# Altium PCB guvenlik_sistemi.PcbDoc (part 2 of 2)
Units mm, origin at the board's own origin, x right, y up, seen from the top; angles counter-clockwise.
Board outline 74.17 x 99.57 mm, 4 copper layers (Top Layer, GROUND, POWER, Bottom Layer), stack 1.369 mm thick; 125 components, 86 nets, 445 pads, 83 vias.
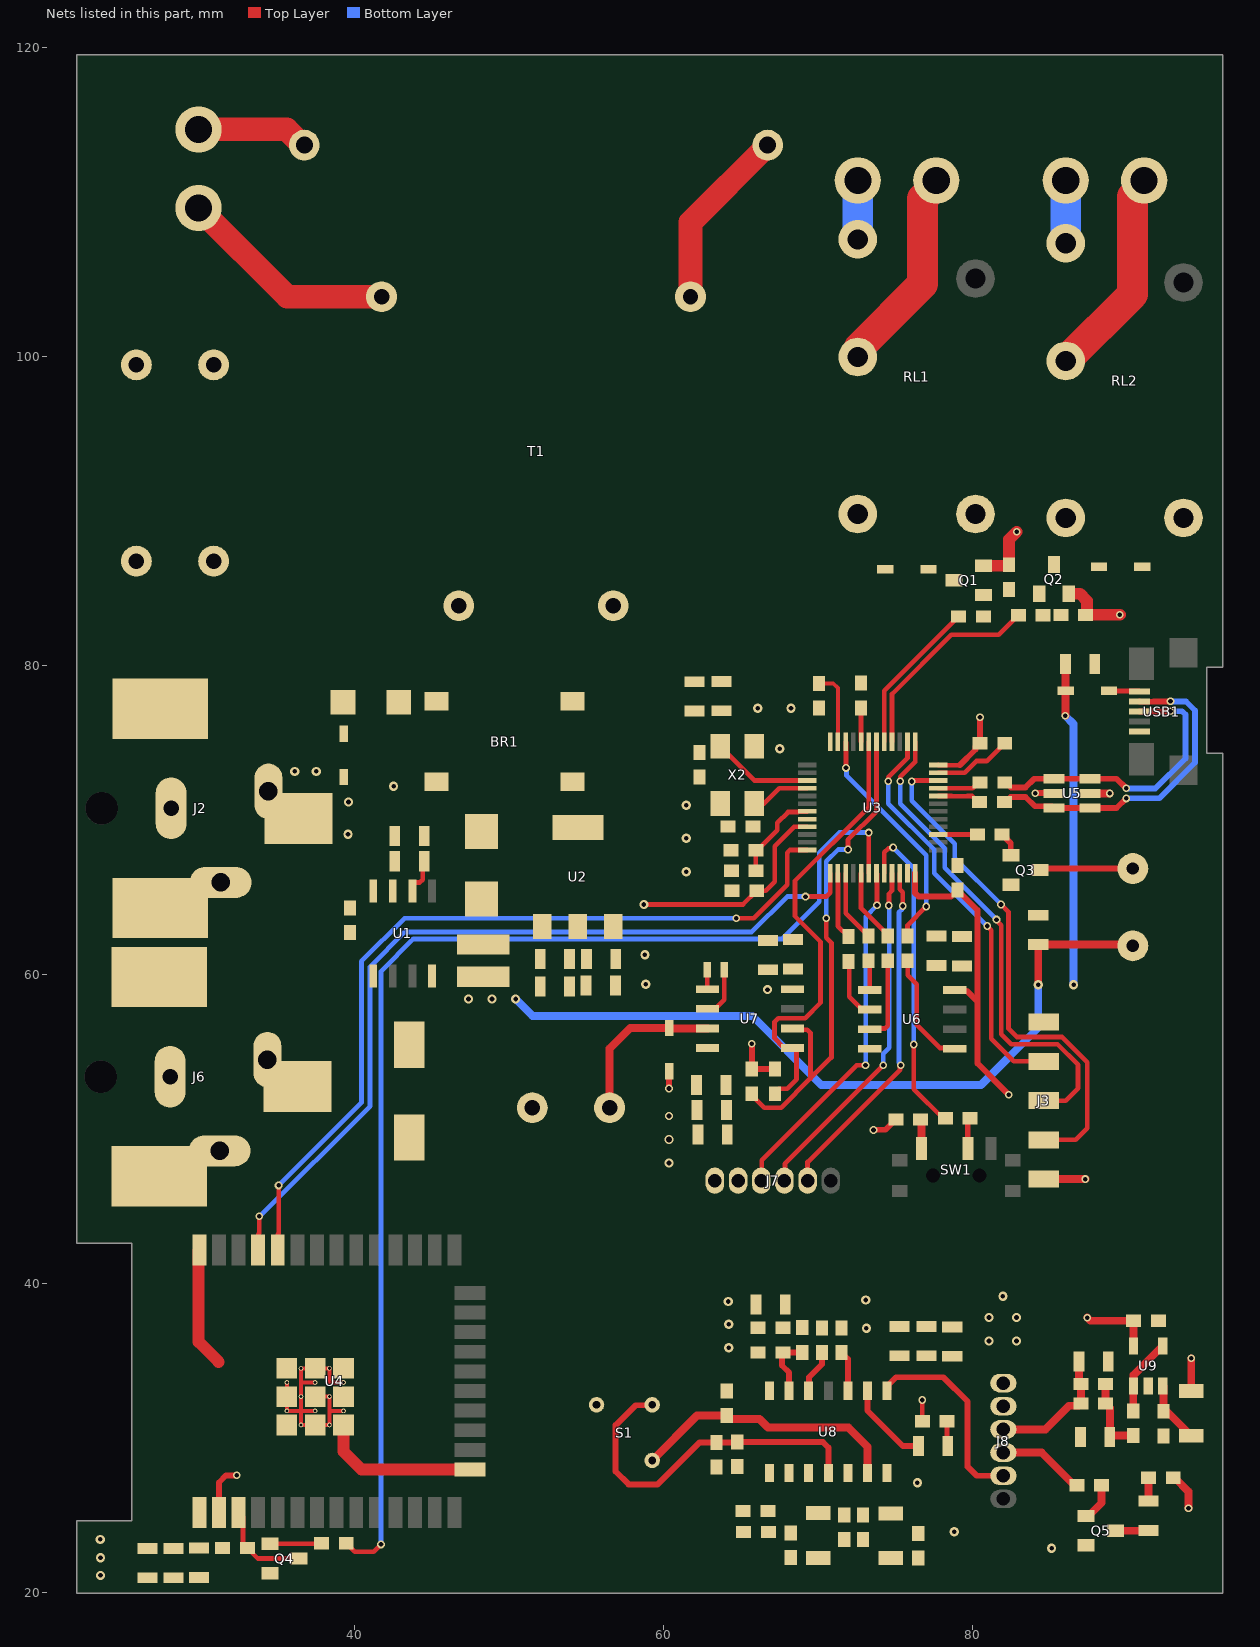
[diagram p4: the nets of this part, all layers, seen from the top]

## Via types
v1: diameter 0.5, hole 0.3, Top Layer to Bottom Layer, 45 vias
v2: diameter 0.6, hole 0.3, Top Layer to Bottom Layer, 37 vias
v3: diameter 0.6, hole 0.4, Top Layer to Bottom Layer, 1 vias

## Nets (pads, with @x,y where several pads share a name; then routed paths per layer and width w, separated by ;. In a path a pad name is that pad's centre, name@x,y a point inside that pad or via, vN(x,y) a via of type N, cw(c..) or ccw(c..) an arc to the next point about the centre after c; other vN are vias at no path point)
3V3DC: C9.2 C10.2 C12.2 C13.2 C14.2 C16.2 C17.2 C18.2 C19.2 C20.2 C21.2 C22.2 C23.2 C24.2 C25.2 C26.2 C27.2 C28.2 D6.2 J3.1 J7.1 R12.2 R18.2 R22.2 R25.2 U2.3 U3.9 U3.24 U3.36 U3.48 U4.2 U5.5 U6.8 U7.8 | length 53
  Top Layer w0.305: v2(58.725,64.516) 65.138,64.516 C23.2@66.027,65.405 66.599,65.405 67.19,65.996 67.19,68.282 68.445,69.537 69.281,69.537 U3.9@69.283,69.54 ; U3.36@77.783,73.54 77.79,73.533 79.172,73.533
  Top Layer w0.381: U4.2@31.214,25.155 31.214,27.1 31.674,27.559 v1(32.37,27.559) ; v2(58.788,61.264) v2@58.819,61.233 ; v2@58.819,59.378 v2(58.85,59.347) ; v1(60.35,52.603) D6.2@60.35,53.721 ; v1(65.71,55.499) R22.2@65.71,53.861 R25.2@67.208,53.861 ; v1(73.584,49.911) 73.607,49.934 74.367,49.934 R18.2@75.038,50.605 ; U3.24@76.283,66.54 76.283,65.247 76.506,65.024 78.6,65.024 C24.2@79.019,65.443 80.319,64.144 80.319,58.221 80.315,58.217 ; U6.8@78.848,58.979 78.908,58.919 79.612,58.919 80.315,58.217 ; 79.172,73.533 80.188,74.549 80.188,74.752 80.391,74.955 C25.2@80.48,74.955 v1(80.48,76.632) ; v1(82.347,52.197) 80.315,54.229 80.315,58.217 ; v1(84.064,71.712) 84.071,71.719 85.246,71.719 U5.5@85.261,71.704
  Top Layer w0.508: J3.1@84.607,46.736 v1(87.3,46.736)
  other v1: 60.35,50.825
  other v2: 60.35,47.777 66.726,59.004 66.091,77.216 68.25,77.216
  other v3: 60.35,49.301
3V3DC_S: C34.2 C35.2 C39.2 C40.2 C41.2 C45.2 J8.1 R23.2 R26.2 R32.2 RT1.2 U8.14 U9.5 | length 10.6
  Top Layer w0.305: v1(76.733,32.436) 76.746,32.423 R26.2@76.746,31.064
  Top Layer w0.508: v1(87.427,37.77) 87.63,37.567 C45.2@90.424,37.567 90.414,37.556 U9.5@90.414,35.946 ; R32.2@92.989,27.407 93.078,27.407 93.98,26.505 v1(93.98,25.425) ; RT1.2@94.158,33.022 v1(94.158,35.136)
  other v2: 64.211,35.814 81.066,36.257 82.844,36.257 64.211,37.338 81.066,37.781 82.844,37.781 64.186,38.811 81.963,39.148
5VDC: BZ1.2 C6.1 C7.2 C8.2 C11.2 C30.2 D5.1 J6.1 L1.2 U1.4 U2.1 | length 70.2
  Top Layer w0.508: v2(84.252,59.309) C30.2@84.252,61.915 90.296,61.915 BZ1.2@90.373,61.838 ; v1(86.004,76.733) 86.004,78.311 D5.1@86.027,78.334 86.004,78.356 C11.2@86.004,80.086
  Bottom Layer w0.508: v2(50.419,58.395) 51.511,57.302 65.735,57.302 70.206,52.832 80.543,52.832 84.252,56.54 v2(84.252,59.309) ; v1(86.004,76.733) 86.538,76.2 v2(86.538,59.309)
  other v2: 47.371,58.395 48.895,58.395
12VDC: C3.2 C4.2 D1.1 D2.1 D3.1 J2.1 RL1.5 RL2.4 U1.7
  other v2: 39.573,69.063 39.599,71.145 42.52,72.167 36.119,73.127 37.516,73.127
AC_LINE_1: J1.1 R1.1 | length 7.3
  Top Layer w1.524: J1.1@29.896,114.681 35.609,114.681 36.625,113.665 R1.1@36.74,113.665
AC_LINE_2: J1.2 T1.5 | length 14.2
  Top Layer w1.524: J1.2@29.896,109.601 35.644,103.853 T1.5@41.74,103.853
BUZZER: R20.1 U3.27 | length 2.5
  Top Layer w0.305: U3.27@77.783,69.04 77.786,69.037 R20.1@80.315,69.037
GND: BR1.4 C1.2 C2.2 C3.1 C4.1 C6.2 C7.1 C8.1 C9.1 C10.1 C11.1 C12.1 C13.1 C14.1 C15.2 C16.1 C17.1 C18.1 C19.1 C20.1 C21.1 C22.1 C23.1 C24.1 C25.1 C26.1 C27.1 C28.1 C29.2 C30.1 C31.2 C32.2 D4.A J2.2 J2.3 J3.5 J6.2 J6.3 J7.2 Q1.2 Q2.2 Q3.2 Q4.2 R2.1 R9.1 R10.1 R11.1 U1.6 U2.2 U3.8 U3.23 U3.35 U3.47 U4.1 U4.15 U4.38 U4.39 U5.2 U6.4 U7.4 USB1.5 X2.2 X2.4 | length 57.9
  Top Layer w0.254: U4.39@35.609,33.573 U4.39@35.609,32.655 U4.39@35.609,31.738 36.527,31.738 ; U4.39@37.444,31.738 36.527,31.738 ; U4.39@37.444,32.655 U4.39@38.362,32.655 38.362,31.738 ; U4.39@37.444,33.573 36.527,33.573 ; U4.39@39.279,31.738 38.362,31.738 ; U4.39@39.279,33.573 38.362,33.573 U4.39@38.362,34.49 U4.39@37.444,34.49 U4.39@36.527,34.49 36.527,33.573 ; C26.1@70.053,78.829 70.98,78.829 71.283,78.526 U3.47@71.283,75.04 ; 36.527,31.738 U4.39@36.527,32.655 36.527,33.573 ; 36.527,31.738 U4.39@36.527,30.82 U4.39@37.444,30.82 U4.39@38.362,30.82 38.362,31.738
  Top Layer w0.305: U1.6@43.739,65.386 43.739,65.844 43.836,65.942 44.221,65.942 44.399,66.12 44.399,67.208 C4.1@44.501,67.31 ; U3.35@77.783,73.04 78.879,73.04 78.881,73.038 79.49,73.038 80.252,73.8 80.925,73.8 C25.1@82.08,74.955
  Top Layer w0.508: U5.2@87.611,71.704 v1(88.875,71.704)
  Top Layer w0.762: U4.38@29.944,42.155 29.896,42.106 29.896,36.195 31.191,34.9 ; U4.39@39.279,30.82 39.279,29.097 40.437,27.94 U4.15@47.454,27.94 ; Q1.2@80.701,86.446 82.346,86.446 82.359,86.459 R9.1@82.359,86.504 82.359,88.15 v1(82.855,88.646) ; Q2.2@86.218,84.628 86.955,84.628 87.401,84.181 87.401,83.274 R10.1@87.389,83.261 ; R10.1@87.312,83.261 R10.1@87.389,83.261 ; v1(89.535,83.261) R10.1@87.389,83.261
  other v2: 23.546,21.082 23.546,22.225 23.526,23.414 61.468,66.624 61.468,68.809 61.468,70.942 67.513,74.6
GND_S: C34.1 C35.1 C37.1 C39.1 C40.1 C41.1 C43.1 C44.1 C45.1 C46.1 C47.1 J8.2 Q5.2 R28.1 R29.1 R30.1 R31.1 R37.1 S1.3 U8.7 U9.2
  other v2: 85.115,22.835 78.816,23.901 76.429,27.076 73.127,37.084 73.076,38.913
LED: D7.1 U8.9 | length 5.5
  Top Layer w0.381: U8.9@73.203,33.038 73.203,31.75 75.489,29.464 D7.1@76.495,29.464
LED_DRIVER: J7.4 U3.21 | length 22.8
  Top Layer w0.305: J7.4@67.819,46.634 67.853,46.668 67.853,47.736 v1(74.219,54.102) ; v1(74.576,64.445) 74.59,64.459 74.59,65.211 74.781,65.402 74.781,66.537 U3.21@74.783,66.54
  Bottom Layer w0.305: v1(74.219,54.102) 74.219,54.864 74.6,55.245 74.6,64.422 v1(74.576,64.445)
LED_EN: R29.2 U8.10 | length 2.6
  Top Layer w0.381: R29.2@71.514,35.509 71.933,35.09 U8.10@71.933,33.038
LED_S: J8.4 R33.1 | length 5.6
  Top Layer w0.508: J8.4@81.991,29.032 84.48,29.032 86.589,26.924 R33.1@86.754,26.924
LIGHT_1_GND: J4.2 RL1.3 | length 3.8
  Bottom Layer w2: RL1.3@72.568,107.569 J4.2@72.568,111.379
LIGHT_1_VCC: J4.1 RL1.2 | length 13.5
  Top Layer w2: RL1.2@72.568,99.949 72.663,100.045 72.663,100.578 76.759,104.673 76.759,110.219 77.648,111.108 J4.1@77.648,111.379
LIGHT_2_GND: J5.2 RL2.3 | length 4.1
  Bottom Layer w2: RL2.3@86.03,107.315 J5.2@86.03,111.379
LIGHT_2_VCC: J5.1 RL2.2 | length 13.8
  Top Layer w2: RL2.2@86.03,99.695 90.348,104.013 90.348,110.346 91.11,111.108 J5.1@91.11,111.379
MCU_N: R6.1 U3.32 | length 2.8
  Top Layer w0.305: U3.32@77.785,71.529 78.635,71.529 ; 78.635,71.524 79.663,71.524 79.667,71.529 79.982,71.529 80.366,71.145 R6.1@80.454,71.145
MCU_P: R7.1 U3.33 | length 2.9
  Top Layer w0.305: U3.33@77.783,72.04 77.785,72.037 79.45,72.037 79.455,72.042 80.018,72.042 80.391,72.415 R7.1@80.48,72.415
MCU_RLY_1: R4.1 U3.41 | length 10.1
  Top Layer w0.305: U3.41@74.283,75.04 74.283,78.347 R4.1@79.096,83.16
MCU_RLY_2: R5.1 U3.40 | length 13.4
  Top Layer w0.305: U3.40@74.783,75.04 74.785,75.042 74.785,78.138 78.613,81.966 81.699,81.966 R5.1@82.969,83.236
MODE: R28.2 U8.12 | length 2.8
  Top Layer w0.381: U8.12@69.393,33.038 69.406,33.051 69.406,33.907 70.247,34.748 70.247,35.506 R28.2@70.244,35.509
NetBR1_1: BR1.1 T1.9
NetBR1_2: BR1.2 T1.7
NetBR1_3: BR1.3 F1.1
NetBZ1_1: BZ1.1 Q3.3 | length 6
  Top Layer w0.381: Q3.3@84.364,66.741 84.461,66.838 BZ1.1@90.373,66.838
NetC1_1: C1.1 C2.1 D1.2 F1.2
NetC5_1: C5.1 U1.1
NetC5_2: C5.2 D4.C L1.1 U1.8
NetC36_2: C36.2 R3.1
NetC42_1: C42.1 R30.2 | length 0
  Top Layer w0.305: C42.1@74.701,22.197 C42.1@74.704,22.2
NetC46_2: C46.2 R34.1 R35.2 R36.1 | length 5.1
  Top Layer w0.508: R34.1@88.608,33.477 R36.1@88.608,32.207 88.885,31.93 C46.2@88.885,30.048 88.974,30.137 R35.2@90.399,30.137
NetD2_2: D2.2 Q1.3 RL1.4
NetD3_2: D3.2 Q2.3 RL2.5
NetD5_2: D5.2 USB1.1 | length 2
  Top Layer w0.305: D5.2@88.827,78.334 90.774,78.334 USB1.1@90.805,78.302
NetD7_2: D7.2 R26.1 | length 1.6
  Top Layer w0.305: R26.1@78.346,31.064 78.346,29.512 D7.2@78.395,29.464
NetD8_1: D8.1 Q5.3 | length 2.2
  Top Layer w0.508: Q5.3@89.235,23.978 91.374,23.978 D8.1@91.389,23.993
NetD8_2: D8.2 R32.1 | length 1.5
  Top Layer w0.508: D8.2@91.389,25.893 R32.1@91.389,27.407
NetQ1_1: Q1.1 R4.2 R9.2
NetQ2_1: Q2.1 R5.2 R10.2
NetQ3_1: Q3.1 R20.2 | length 1.6
  Top Layer w0.381: R20.2@81.915,69.037 82.004,69.037 82.207,68.834 82.207,68.745 82.474,68.478 Q3.1@82.474,67.691
NetQ4_1: Q4.1 R14.2 | length 3.4
  Top Layer w0.305: Q4.1@34.513,23.124 37.818,23.124 R14.2@37.859,23.165
NetQ5_1: Q5.1 R33.2 | length 2.5
  Top Layer w0.508: Q5.1@87.345,24.928 87.491,25.074 87.641,25.074 88.354,25.786 R33.2@88.354,26.924
NetR1_2: R1.2 T1.1 | length 11.9
  Top Layer w1.524: T1.1@61.74,103.853 61.74,108.665 R1.2@66.74,113.665
NetR11_2: R11.2 U3.44 | length 2.2
  Top Layer w0.305: R11.2@72.771,77.241 72.771,75.052 U3.44@72.783,75.04
NetR15_1: R15.1 U6.1 | length 1.9
  Top Layer w0.305: R15.1@73.265,60.87 73.348,60.787 U6.1@73.348,58.979
NetR16_1: R16.1 U6.3 | length 5.5
  Top Layer w0.305: U6.3@73.348,56.439 73.399,56.489 74.335,56.489 74.513,56.668 R16.1@74.513,60.87
NetR17_1: R17.1 U6.2 | length 4
  Top Layer w0.305: R17.1@71.972,60.828 72.009,60.79 72.009,58.548 72.848,57.709 U6.2@73.348,57.709
NetR18_1: R18.1 SW1.1 | length 1.9
  Top Layer w0.508: R18.1@76.638,50.605 76.693,50.55 SW1.1@76.693,48.715
NetR19_1: R19.1 SW1.2 | length 1.9
  Top Layer w0.374: SW1.2@79.693,48.715 79.693,50.623 R19.1@79.718,50.648
NetR21_1: R21.1 U6.5 | length 7.5
  Top Layer w0.305: R21.1@75.794,60.871 75.794,59.936 76.378,59.352 76.378,56.718 77.869,55.227 78.791,55.227 U6.5@78.848,55.169
NetR35_1: R35.1 U9.1 U9.4 | length 5
  Top Layer w0.508: R35.1@90.399,31.737 90.399,33.33 U9.1@90.414,33.346 90.414,34.046 U9.4@92.314,35.946
NetR37_2: R37.2 RT1.1 U9.3 | length 4.1
  Top Layer w0.508: U9.3@92.314,33.346 92.354,33.305 R37.2@92.354,31.712 92.568,31.712 RT1.1@94.158,30.122
NetU7_1: U7.1 X1.2 | length 1.3
  Top Layer w0.305: X1.2@62.823,60.3 62.833,60.29 U7.1@62.833,59.03
NetU7_2: U7.2 X1.1 | length 3.3
  Top Layer w0.305: U7.2@62.833,57.76 63.333,57.76 63.923,58.35 X1.1@63.923,60.3
NRST: C15.1 R2.2 U3.7 | length 6
  Top Layer w0.305: C15.1@65.992,66.701 65.97,66.723 R2.2@65.97,68.024 66.059,68.024 67.361,69.326 67.361,69.798 68.057,70.494 68.7,70.494 68.743,70.537 69.281,70.537 U3.7@69.283,70.54
OP1_N: C38.2 C42.2 R27.1 U8.5
OP1_O: C36.1 C38.1 R27.2 U8.3
OP1_P: C44.2 R31.2 S1.2 U8.4 | length 22.9
  Top Layer w0.381: S1.2@59.258,32.124 59.235,32.101 58.187,32.101 56.896,30.81 56.896,27.813 57.734,26.975 59.614,26.975 62.332,29.693 R31.2@63.424,29.693 64.742,29.693 C44.2@64.77,29.72 70.305,29.72 70.663,29.362 U8.4@70.663,27.718
OP2_N: C33.1 R3.2 R24.1 U8.2
OP2_O: C33.2 R24.2 U8.1
OSC: C37.2 R23.1 U8.13 | length 3.9
  Top Layer w0.381: U8.13@68.123,33.038 68.123,34.214 67.666,34.671 67.666,35.458 R23.1@67.716,35.509 68.961,35.509 C37.2@68.974,35.522
OSC_IN: C31.1 U3.3 X2.3 | length 6.5
  Top Layer w0.305: X2.3@63.67,74.748 65.878,72.54 U3.3@69.283,72.54
OSC_OUT: C32.1 U3.4 X2.1 | length 3.8
  Top Layer w0.305: X2.1@65.87,71.048 66.495,71.048 67.487,72.04 U3.4@69.283,72.04
PIR: J7.5 U3.22 | length 22.6
  Top Layer w0.305: J7.5@69.319,46.634 69.319,47.842 75.304,53.826 75.304,54.071 v1(75.341,54.109) ; U3.22@75.283,66.54 75.283,65.511 75.481,65.313 v1(75.481,64.412)
  Bottom Layer w0.305: v1(75.341,54.109) 75.341,54.161 75.235,54.268 75.235,64.008 75.444,64.217 75.444,64.374 v1(75.481,64.412)
PIRDETECT: J8.5 U8.8 | length 13.2
  Top Layer w0.381: U8.8@74.473,33.038 74.572,33.138 74.572,33.438 75.043,33.909 78.105,33.909 79.68,32.334 79.68,28.118 80.265,27.532 J8.5@81.991,27.532
RTC_SCL: R22.1 U3.42 U7.6 | length 33.4
  Top Layer w0.305: R22.1@65.71,52.261 65.71,52.172 66.518,51.364 67.618,51.364 69.505,53.25 ; U7.6@68.333,56.49 68.412,56.41 69.29,56.41 69.505,56.195 69.505,53.25 ; v1(70.536,63.627) 70.536,62.368 70.866,62.038 70.866,54.611 69.505,53.25 ; v1(71.933,68.072) 71.933,68.707 73.783,70.557 U3.42@73.783,75.04
  Bottom Layer w0.305: v1(70.536,63.627) 70.536,67.31 71.298,68.072 v1(71.933,68.072)
RTC_SDA: R25.1 U3.43 U7.5 | length 29.6
  Top Layer w0.305: R25.1@67.208,52.261 67.208,52.349 67.45,52.591 67.997,52.591 68.605,53.199 68.605,55.122 68.508,55.22 U7.5@68.333,55.22 68.235,55.317 67.72,55.317 67.183,55.855 67.183,56.921 67.412,57.15 69.154,57.15 70.155,58.151 70.155,62.103 68.504,63.754 68.504,66.04 73.283,70.819 U3.43@73.283,75.04
SENSOR_ONOFF: R19.2 U3.20 | length 20.9
  Top Layer w0.305: U3.20@74.283,66.54 74.283,67.882 74.562,68.162 74.816,68.162 v1(74.854,68.199) ; v1(76.2,55.448) 76.2,52.565 R19.2@78.118,50.648
  Bottom Layer w0.305: v1(74.854,68.199) 76.2,66.853 v1(76.2,55.448)
SWCLK: J3.3 U3.37 | length 31.9
  Top Layer w0.305: v1(75.311,72.492) 75.311,72.771 76.283,73.743 U3.37@76.283,75.04 ; v1(81.545,63.536) 81.545,63.483 81.865,63.163 81.865,56.108 82.499,55.474 85.496,55.474 86.83,54.14 86.83,52.616 86.03,51.816 J3.3@84.607,51.816
  Bottom Layer w0.305: v1(75.311,72.492) 75.311,71.044 78.207,68.148 78.207,66.882 81.545,63.544 v1(81.545,63.536)
SWDIO: J3.2 U3.34 | length 33.8
  Top Layer w0.305: v1(76.054,72.477) 76.107,72.477 76.169,72.54 U3.34@77.783,72.54 ; v1(81.839,64.516) 82.321,64.033 82.321,56.49 82.881,55.93 85.802,55.93 87.427,54.305 87.427,50.038 86.665,49.276 J3.2@84.607,49.276
  Bottom Layer w0.305: v1(76.054,72.477) 76.054,71.241 78.842,68.453 78.842,67.513 v1(81.839,64.516)
TDI: J3.4 U3.38 | length 26.5
  Top Layer w0.305: v1(74.549,72.492) 74.549,72.757 75.783,73.991 U3.38@75.783,75.04 ; v1(80.95,63.119) 80.95,63.097 81.204,62.843 81.204,55.829 82.677,54.356 J3.4@84.607,54.356
  Bottom Layer w0.305: v1(74.549,72.492) 74.549,71.044 77.521,68.072 77.521,66.548 v1(80.95,63.119)
TEMP_ADC: J7.3 U3.19 | length 23.4
  Top Layer w0.305: J7.3@66.319,46.634 66.345,46.66 66.345,47.955 72.492,54.102 73.054,54.102 v1(73.065,54.113) ; U3.19@73.783,66.54 73.812,66.51 v1(73.812,64.465)
  Bottom Layer w0.305: v1(73.065,54.113) 73.076,54.124 73.076,63.729 v1(73.812,64.465)
TEMP_IN_CS: R17.2 U3.14 | length 4.4
  Top Layer w0.305: U3.14@71.283,66.54 71.283,63.117 R17.2@71.972,62.428
TEMP_IN_OT: R21.2 U3.46 | length 15.2
  Top Layer w0.305: U3.46@71.783,75.04 71.806,75.017 v1(71.806,73.355) ; R21.2@75.794,62.471 75.794,63.172 v1(77.006,64.385)
  Bottom Layer w0.305: v1(71.806,73.355) 71.836,73.325 71.836,72.868 77.006,67.698 v1(77.006,64.385)
TEMP_IN_SCLK: R15.2 U3.15 | length 4.7
  Top Layer w0.305: U3.15@71.783,66.54 71.783,63.953 72.935,62.801 73.024,62.801 73.265,62.559 R15.2@73.265,62.471
TEMP_IN_SIO: R16.2 U3.17 | length 4.8
  Top Layer w0.305: U3.17@72.783,66.54 72.783,64.275 74.258,62.801 74.272,62.801 74.513,62.559 R16.2@74.513,62.471
TEMPERATURE_ADC: C47.2 J8.3 R34.2 R36.2 | length 8.5
  Top Layer w0.508: J8.3@81.991,30.532 84.71,30.532 86.246,32.067 86.868,32.067 R36.2@87.008,32.207 R34.2@87.008,33.477 86.883,33.602 C47.2@86.883,34.925
USB_N: R6.2 U5.1 U5.6 USB1.2 | length 21.2
  Top Layer w0.374: R6.2@82.055,71.145 82.144,71.145 82.465,71.466 83.433,71.466 84.032,70.867 85.148,70.867 U5.6@85.261,70.754 U5.1@87.611,70.754 89.317,70.754 v1(89.941,71.378) ; USB1.2@90.805,77.652 90.816,77.641 91.719,77.641 91.73,77.653 92.8,77.653 v1(92.812,77.665)
  Bottom Layer w0.374: v1(89.941,71.378) 89.953,71.39 92.091,71.39 94.405,73.704 94.405,77.066 93.818,77.653 92.913,77.653 92.901,77.665 v1(92.812,77.665)
USB_P: R7.2 U5.3 U5.4 USB1.3 | length 19
  Top Layer w0.374: R7.2@82.08,72.415 82.169,72.415 82.49,72.094 83.433,72.094 83.993,72.654 U5.4@85.261,72.654 U5.3@87.611,72.654 89.317,72.654 v1(89.941,72.03) ; USB1.3@90.805,77.002 90.816,77.013 91.979,77.013 v1(92.812,77.013)
  Bottom Layer w0.374: v1(89.941,72.03) 90.03,72.03 90.042,72.018 91.831,72.018 93.777,73.964 93.777,76.806 93.558,77.025 92.824,77.025 v1(92.812,77.013)
VBAT: C29.1 D6.1 U7.3 | length 10.7
  Top Layer w0.508: C29.1@56.5,51.359 56.5,55.18 57.836,56.515 60.344,56.515 D6.1@60.35,56.521 ; D6.1@60.35,56.511 60.371,56.49 U7.3@62.833,56.49
VREF: C43.2 S1.1 U8.6 | length 17.7
  Top Layer w0.508: S1.1@59.258,28.524 62.166,31.432 C43.2@64.084,31.432 64.084,31.344 64.224,31.204 66.205,31.204 66.751,30.658 71.958,30.658 73.203,29.413 U8.6@73.203,27.718
WIFI_EN: R14.1 U3.18 | length 79.6
  Top Layer w0.305: R14.1@39.459,23.165 40.005,22.619 41.237,22.619 v1(41.707,23.089) ; U3.18@73.283,66.54 v1(73.283,69.168)
  Bottom Layer w0.305: v1(41.707,23.089) 41.707,60.198 43.79,62.281 67.666,62.281 70.079,64.694 70.079,67.869 71.378,69.168 v1(73.283,69.168)
WIFI_OUT: Q4.3 R12.1 U4.3 | length 6.2
  Top Layer w0.305: U4.3@32.484,25.155 32.766,24.873 32.766,23.101 33.007,22.86 R12.1@33.058,22.86 33.744,22.174 Q4.3@36.403,22.174
WIFI_RXD: U3.12 U4.34 | length 54
  Top Layer w0.305: U4.34@35.024,42.155 35.024,43.155 35.077,43.208 v1(35.077,46.33) ; v1(64.694,63.627) 65.837,63.627 67.996,65.786 67.996,67.861 68.174,68.04 U3.12@69.283,68.04
  Bottom Layer w0.305: v1(35.077,46.33) 40.437,51.689 40.437,60.833 43.231,63.627 v1(64.694,63.627)
WIFI_TXD: U3.13 U4.35 | length 54.4
  Top Layer w0.305: U4.35@33.754,42.155 33.754,43.155 33.833,43.233 v1(33.833,44.323) ; v1(69.185,65.024) 70.536,65.024 70.783,65.271 U3.13@70.783,66.54
  Bottom Layer w0.305: v1(33.833,44.323) 33.855,44.323 40.996,51.464 40.996,60.478 43.256,62.738 65.71,62.738 67.996,65.024 v1(69.185,65.024)
pads on no net: J2. J6. J7.6 J8.6 RL1.1 RL2.1 SW1. SW1.3 U1.2 U1.3 U1.5 U3.1 U3.2 U3.5 U3.6 U3.10 U3.11 U3.16 U3.25 U3.26 U3.28 U3.29 U3.30 U3.31 U3.39 U3.45 U4.4 U4.5 U4.6 U4.7 U4.8 U4.9 U4.10 U4.11 U4.12 U4.13 U4.14 U4.16 U4.17 U4.18 U4.19 U4.20 U4.21 U4.22 U4.23 U4.24 U4.25 U4.26 U4.27 U4.28 U4.29 U4.30 U4.31 U4.32 U4.33 U4.36 U4.37 U6.6 U6.7 U7.7 U8.11 USB1. USB1.4

## Polygon pours and split planes (outlines as drawn)
GND on Top Layer "NONET_L-01_P-001" (solid, remove dead copper, pour order 72): 27.483,101.854 23.292,101.854 22.53,101.092 22.53,45.771 23.348,44.729 94.996,44.729 96.19,45.923 96.19,73.025 95.174,74.041 95.174,80.391 94.158,81.407 61.646,81.407 54.534,74.295 36.5,74.295 28.499,82.296 28.499,101.219
3V3DC on Top Layer "NONET_L-01_P-001" (solid, remove dead copper, pour order 67): 61.138,46.228 62.154,45.212 62.154,44.704 63.678,44.704 63.805,44.704 64.059,44.958 64.059,47.879 63.932,48.006 63.424,48.006 62.916,48.514 62.916,53.594 62.408,54.102 61.646,54.102 61.011,54.737 59.233,54.737 58.344,53.848 58.344,47.371 59.487,46.228
3V3DC on Top Layer "Top Layer-3V3DC" (solid, remove dead copper, pour order 41): 69.545,76.2 70.409,75.336 70.409,74.397 70.536,74.193 70.917,74.193 70.993,74.315 70.993,78.003 70.841,78.156 60.902,78.156 58.369,75.543 58.369,71.589 56.21,66.675 56.21,64.922 56.292,64.922 56.21,64.922 55.702,64.414 55.702,58.344 56.109,57.937 59.734,57.937 60.122,58.466 60.122,75.235 61.087,76.2
GND_S on Top Layer "NONET_L-01_P-001" (solid, pour order 81): 52.426,39.751 52.426,39.675 52.426,21.311 95.174,21.311 95.174,39.751
3V3DC_S on Top Layer "Top Layer-3V3DC_S" (solid, remove dead copper, pour order 79): 83.109,32.817 83.871,33.579 83.871,39.37 83.109,40.132 80.366,40.132 79.756,39.522 79.756,36.373 74.193,36.373 74.041,36.22 74.041,34.468 74.193,34.315 78.308,34.315 79.807,32.817
no net on Top Layer "NONET_L-01_P-001" (solid, remove dead copper, pour order 80): 53.975,39.624
3V3DC_S on Top Layer "NONET_L-01_P-001" (solid, remove dead copper, pour order 75): 67.081,31.725 67.488,32.131 67.488,33.731 66.954,34.265 66.954,39.345 66.7,39.599 63.83,39.599 63.5,39.268 63.5,35.077 63.754,34.823 64.922,34.823 65.761,33.985 65.761,32.436 66.472,31.725
5VDC on Top Layer "Top Layer-5VDC" (solid, remove dead copper, pour order 17): 52.362,57.62 53.188,58.445 53.188,64.465 52.807,64.846 51.333,64.846 50.902,64.414 50.902,61.443 50.063,60.808 44.856,60.808 44.831,60.833 44.45,60.452 44.45,58.445 43.764,57.76 33.96,57.76 32.639,56.439 32.639,55.474 32.664,55.474 32.664,51.562 34.061,50.165 39.548,50.165 40.945,51.562 40.945,52.807 41.351,53.213 44.577,53.213 45.491,54.127 45.491,56.769 46.342,57.62
GND on Top Layer "NONET_L-01_P-001" (solid, remove dead copper, pour order 73): 72.441,76.454
GND on Top Layer "Top Layer-GND" (solid, remove dead copper, pour order 70): 40.818,28.956 41.326,29.464 41.326,36.449 40.818,36.957 30.486,36.957 30.201,37.592 29.591,37.592 29.337,36.957 29.171,36.957 28.626,36.536 28.626,24.638 28.27,24.282 22.885,24.282 22.53,23.927 22.53,20.777 22.987,20.32 35.331,20.32 35.484,20.472 35.484,21.717 35.357,21.844 33.325,21.844 33.071,21.59 25.197,21.59 24.689,22.098 24.689,23.368 25.07,23.749 30.277,23.749 30.455,23.927 30.455,28.092 31.455,28.956
3V3DC on Top Layer "Top Layer-3V3DC 1" (solid, remove dead copper, pour order 64): 25.349,22.123 25.603,21.869 31.928,21.869 31.953,21.844 32.233,22.123 32.233,23.444 31.801,23.876 31.801,26.416 31.928,26.416 32.055,26.543 33.325,26.543 33.833,27.051 33.833,28.194 33.452,28.575 31.547,28.575 30.607,27.635 30.607,23.825 30.277,23.495 25.578,23.495 25.349,23.266
no net on Top Layer "NONET_L-01_P-001" (solid, remove dead copper, pour order 61): 31.801,26.416
3V3DC on Top Layer "NONET_L-01_P-001" (solid, remove dead copper, pour order 52): 78.435,58.522 80.01,58.522 80.467,58.979 80.467,61.265 80.35,61.544 76.613,61.544 76.53,61.366 76.53,59.995 77.114,59.411 77.114,58.75 77.343,58.522
3V3DC on Top Layer "NONET_L-01_P-001" (solid, remove dead copper, pour order 42): 64.69,58.191 69.571,58.191 69.774,58.395 69.774,61.138 69.545,61.366 64.694,61.366 64.516,61.189 64.516,58.365
3V3DC on Top Layer "NONET_L-01_P-001" (solid, remove dead copper, pour order 33): 60.376,48.387
no net on Top Layer "NONET_L-01_P-001" (solid, remove dead copper, pour order 24): 58.725,61.671
no net on Top Layer "NONET_L-01_P-001" (solid, remove dead copper, pour order 23): 58.471,61.671
no net on Top Layer "NONET_L-01_P-001" (solid, remove dead copper, pour order 22): 57.48,61.671
no net on Top Layer "NONET_L-01_P-001" (solid, remove dead copper, pour order 21): 60.071,62.865
no net on Top Layer "NONET_L-01_P-001" (solid, remove dead copper, pour order 14): 41.072,49.911
no net on Top Layer "NONET_L-01_P-001" (solid, remove dead copper, pour order 12): 44.374,59.055
NetBR1_1 on Top Layer "NONET_L-01_P-001" (solid, remove dead copper, pour order 10): 52.476,71.78 53.365,70.891 55.067,70.891 55.88,71.704 55.905,73.533 58.725,77.8 58.725,84.531 57.785,85.471 55.169,85.471 54.737,85.039 54.737,83.287 56.286,81.737 56.286,76.53 53.996,73.736 53.094,73.736 52.476,73.175
NetBR1_2 on Top Layer "NONET_L-01_P-001" (solid, remove dead copper, pour order 9): 45.085,84.607 45.085,82.829 46.507,81.407 48.59,81.407 53.086,75.895 54.991,75.895 55.55,76.454 55.55,78.562 48.235,85.877 45.872,85.877 45.136,85.141 45.136,84.709
NetC1_1 on Top Layer "NONET_L-01_P-001" (solid, remove dead copper, pour order 8): 38.786,74.549 40.056,74.549 40.564,75.057 40.564,78.359 40.056,78.867 38.786,78.867 32.944,84.709 32.944,100.203 31.928,101.219 29.642,101.219 29.134,100.711 29.134,85.725 37.262,77.597 37.262,76.073
no net on Top Layer "NONET_L-01_P-001" (solid, remove dead copper, pour order 7): 53.518,77.343
no net on Top Layer "NONET_L-01_P-001" (solid, remove dead copper, pour order 6): 53.778,77.535
no net on Top Layer "NONET_L-01_P-001" (solid, remove dead copper, pour order 5): 53.778,77.535
no net on Top Layer "NONET_L-01_P-001" (solid, remove dead copper, pour order 4): 54.026,77.597
no net on Top Layer "NONET_L-01_P-001" (solid, remove dead copper, pour order 1): 51.994,77.343
GND on Bottom Layer "NONET_L-01_P-001" (solid, remove dead copper, pour order 74): 27.483,101.854 23.292,101.854 22.53,101.092 22.53,45.364 23.647,43.942 95.301,43.942 96.19,44.831 96.19,73.025 95.174,74.041 95.174,80.391 94.158,81.407 60.757,81.407 54.28,74.93 35.865,74.93 28.499,82.296 28.499,101.219
GND on Bottom Layer "NONET_L-01_P-001" (solid, remove dead copper, pour order 82): 32.918,36.22 28.956,36.22 28.346,35.611 28.346,25.425 27.076,24.155 22.936,24.155 22.581,23.8 22.581,20.828 23.038,20.371 35.281,20.371 35.458,20.549 35.458,21.717 35.331,21.844 33.325,21.844 33.045,21.565 25.146,21.565 24.663,22.047 24.663,23.419 25.044,23.8 30.277,23.8 30.455,23.978 30.455,28.27 31.242,29.058 40.792,29.058 41.326,29.591 41.326,36.22
3V3DC on Bottom Layer "NONET_L-01_P-001" (solid, remove dead copper, pour order 37): 59.69,58.395
GND on GROUND (split plane): 95.679,80.393 95.174,80.393 95.074,80.384 94.978,80.355 94.89,80.307 94.813,80.244 94.749,80.167 94.702,80.078 94.673,79.983 94.663,79.883 94.663,74.295 94.673,74.195 94.702,74.1 94.749,74.011 94.813,73.934 94.89,73.871 94.978,73.823 95.074,73.794 95.174,73.785 95.679,73.785 95.679,20.449 22.532,20.449 22.532,24.102 25.578,24.102 25.677,24.112 25.773,24.141 25.861,24.188 25.939,24.252 26.002,24.329 26.049,24.417 26.078,24.513 26.088,24.613 26.088,42.57 26.078,42.67 26.049,42.766 26.002,42.854 25.939,42.931 25.861,42.995 25.773,43.042 25.677,43.071 25.578,43.081 22.532,43.081 22.532,118.997 95.679,118.997
GND_S on GROUND (split plane): 95.325,21.081 52.3,21.21 52.3,39.886 95.325,39.886
3V3DC on POWER (split plane): 341 vertices, not listed, extent 22.532,20.449 95.679,92.862
3V3DC_S on POWER (split plane): 95.497,20.827 52.148,20.957 52.148,40.156 95.627,40.156
12VDC on POWER (split plane): 164 vertices, not listed, extent 32.666,67.622 95.237,91.996

## Keep-outs
Keep-Out Layer:
  the board outline again, w0.3

## Other copper
Top Layer:
  region net OP1_O: 73.381,22.555 73.609,22.784 73.609,23.774 73.355,24.028 71.069,24.028 70.993,24.105 70.993,24.13 70.866,24.257 70.866,25.832 70.46,26.238 70.104,26.238 69.85,26.492 69.85,28.473 69.723,28.6 69.037,28.6 68.91,28.473 68.91,25.705 69.088,25.527 69.088,24.206 69.698,23.597 70.79,23.597 71.095,23.292 71.095,22.835 71.374,22.555
  region net NetC42_1: 74.346,22.911 74.32,22.936 73.935,22.936 73.66,22.606 73.66,21.412 73.838,21.234 77.343,21.234 77.521,21.412 77.521,22.784 77.368,22.936 74.346,22.936
  region net OP1_N: 71.552,28.575 71.298,28.321 71.298,26.264 71.272,26.264 71.069,26.06 71.069,24.359 71.222,24.206 71.272,24.206 75.54,24.206 75.844,24.511 75.844,25.73 75.438,26.137 72.695,26.137 72.517,26.314 72.517,28.423 72.365,28.575 71.882,28.575
  region net OP2_O: 65.557,23.089 65.862,23.393 65.862,25.883 66.853,26.873 67.183,26.873 67.361,27.051 67.361,28.473 67.107,28.727 66.472,28.727 66.091,28.346 66.091,26.873 65.354,26.137 64.414,26.137 64.059,25.781 64.059,23.368 64.338,23.089
  region net OP2_N: 66.396,23.139 66.065,23.47 66.091,23.495 66.091,25.705 66.37,25.984 67.462,25.984 67.615,26.137 67.615,28.397 67.92,28.702 68.351,28.702 68.682,28.372 68.682,24.79 68.885,24.587 68.885,23.343 68.682,23.139
  region net NetC36_2: 67.259,22.809 67.412,22.962 70.637,22.962 70.739,22.962 70.993,22.708 70.993,21.539 70.714,21.26 67.462,21.26 67.259,21.463
  pour cut-out: 82.398,73.711 78.943,73.711 78.537,73.304 78.537,70.282 78.918,69.901 90.78,69.901 91.186,70.307 91.186,73.203 90.678,73.711
  region net NetQ2_1: 84.353,85.395 83.871,85.395 83.744,85.268 83.744,82.88 84.099,82.525 86.157,82.525 86.462,82.829 86.462,83.617 86.258,83.82 85.547,83.82 85.039,84.328 85.039,85.09 84.734,85.395
  region net NetQ1_1: 82.448,85.623 81.915,85.623 81.509,85.217 80.112,85.217 79.883,84.988 79.883,82.753 80.213,82.423 81.407,82.423 81.737,82.753 81.737,84.023 81.915,84.201 83.105,84.201 83.21,84.397 83.21,85.446 83.007,85.649 82.423,85.649
  region net NetD3_2: 84.404,91.389 83.896,90.881 83.896,86.436 84.734,85.598 88.722,85.598 88.748,85.573 89.332,86.157 89.332,86.893 87.833,88.392 87.833,90.576 87.02,91.389
  region net 12VDC: 94.285,91.44 94.298,91.427 92.392,91.427 90.094,87.376 89.992,85.598 90.373,85.217 93.828,85.217 95.174,87.376 95.174,90.551 94.539,91.186 94.386,91.338
  region net 12VDC: 75.057,85.09 75.26,85.293 75.26,88.341 74.295,89.306 74.295,91.161 73.711,91.745 71.145,91.745 70.51,91.11 70.51,88.824 71.653,87.681 72.669,87.147 72.669,85.827 73.406,85.09
  region net NetD2_2: 80.67,91.872 78.232,91.872 77.876,91.516 77.876,88.925 77.038,88.316 75.946,87.224 75.946,85.065 76.2,84.811 79.375,84.811 79.654,85.09 79.654,86.874 80.594,87.579 82.042,88.976 82.042,88.875 82.042,90.5
  region net 5VDC: 84.887,76.098 85.242,75.743 87.071,75.743 87.452,76.124 87.452,78.689 86.843,79.299 86.843,80.924 86.589,81.178 85.217,81.178 84.887,80.848
  region net 5VDC: 90.424,60.274 91.415,60.274 92.38,61.239 92.38,63.195 91.821,63.754 89.027,63.754 87.884,62.611 83.693,62.611 83.236,62.154 83.236,60.503 83.693,60.274
  region net 3V3DC: 65.1,54.61 64.821,54.331 64.821,53.391 65.075,53.137 67.742,53.137 67.945,53.34 67.945,54.381 67.716,54.61 66.065,54.61
  pour cut-out: 60.376,48.387
  region net NRST: 65.489,68.618 65.311,68.44 65.311,66.286 65.559,66.038 66.635,66.038 66.886,66.289 66.886,68.466 66.733,68.618 66.073,68.618
  region net OSC_OUT: 66.065,71.958 65.989,72.034 65.202,72.034 64.999,71.831 64.999,69.19 65.253,68.936 66.472,68.936 66.726,69.19 66.726,71.806 66.472,72.06 65.227,72.06 65.202,72.034
  region net OSC_IN: 64.618,75.565 64.338,75.844 62.941,75.844 62.916,75.844 62.357,75.159 61.849,75.159 61.57,74.879 61.57,73.939 61.976,73.533 62.001,73.558 64.262,73.558 64.618,73.914
  region: 82.982,62.611
  region net 12VDC: 41.859,64.942 42.071,64.541 42.909,64.541 43.18,65.001 43.18,73.127 42.774,73.533 42.189,73.533 41.859,73.143
  region: 39.802,61.214
  region: 39.573,60.96
  region net NetC5_1: 39.243,63.449 38.938,63.144 38.938,61.888 39.352,61.62 40.31,61.62 40.64,61.29 40.64,59.944 40.945,59.639 41.453,59.639 41.732,59.919 41.732,61.544 40.615,62.662 40.615,63.271 40.437,63.449 40.361,63.449
  region net NetC5_2: 50.089,61.087 50.495,61.493 50.495,65.583 49.581,66.497 47.219,66.497 46.457,65.735 46.457,64.999 45.695,64.237 41.859,64.237 41.631,64.465 41.631,66.523 41.427,66.604 40.972,66.604 40.742,66.462 40.742,65.43 40.462,65.151 39.294,65.151 38.887,64.745 38.887,63.906 39.167,63.627 45.644,63.627 46.101,63.17 46.101,61.475 46.627,61.087
  region: 49.2,61.874
  region: 47.727,61.925
  region: 47.498,62.001
  region: 37.821,63.576
  region: 41.173,66.751
  region: 33.096,73.279
  region net 12VDC: 33.096,73.279 33.096,69.063 34.442,67.716 39.573,67.716 40.589,68.732 40.589,72.72 39.345,73.965 33.782,73.965
  region net NetBR1_3: 42.596,78.613 46.152,78.613 46.66,78.105 46.66,76.835 46.152,76.327 42.088,76.327 41.58,76.835 41.58,78.359 42.088,78.867 46.152,78.867 46.66,78.359 46.66,77.089
Bottom Layer:
  pour cut-out: 78.943,73.711 78.537,73.304 78.537,70.282 78.918,69.901 90.78,69.901 91.186,70.307 91.186,73.203 90.678,73.711
  region net 5VDC: 84.633,57.912 88.37,57.912 88.824,58.366 88.824,60.706 88.316,61.214 86.938,61.214 86.665,61.468 86.665,61.595 86.411,61.595 86.411,61.468 86.23,61.214 82.898,61.214 82.474,60.79 82.474,59.78 82.474,59.08 82.474,58.547 83.109,57.912 83.871,57.912 84.125,57.658 84.379,57.658
  region: 66.472,78.664
  region net 5VDC: 50.891,57.175 50.962,57.039 51.13,56.871 51.74,56.871 52.07,57.201 52.07,57.506 51.74,57.836 51.41,57.836 51.41,59.411 51.105,59.715 46.736,59.715 46.33,59.309 46.33,57.556 46.711,57.175
  region: 82.347,60.579
GROUND (plane layer: these items are gaps in the copper):
  rectangle: 23.216,21.463 23.901,21.819
  rectangle: 23.216,22.682 23.825,22.962
  rectangle: 80.67,31.191 83.337,32.868
  rectangle: 38.176,31.623 38.506,31.902
  rectangle: 36.373,31.623 36.652,31.902
  rectangle: 37.338,32.537 37.592,32.817
  rectangle: 38.227,33.452 38.506,33.706
  rectangle: 36.449,33.452 36.652,33.68
  lines w0.305: 52.146,21.057 95.479,20.927 95.479,40.04 52.146,40.04 52.146,21.057
POWER (plane layer: these items are gaps in the copper):
  rectangle: 21.971,79.4 57.353,90.094
  rectangle: 45.695,91.465 49.022,99.238
  rectangle: 21.971,83.885 68.126,98.044
  rectangle: 21.971,92.862 96.19,119.507
  lines w0.305: 32.512,73.787 34.468,75.717 54.912,76.192 61.506,83.569 68.226,83.734 70.231,88.104 70.231,90.916 71.402,92.11 73.545,92.15 74.676,91.045 74.676,88.468 76.175,87.452 90.205,87.584 92.364,91.542 94.402,91.542 95.391,90.62 95.355,87.289 93.957,85.068 75.641,84.912 71.806,84.836 69.672,81.178 63.413,81.097 56.483,73.905 45.363,73.842 43.693,72.983 43.644,68.404 43.089,67.522 34.132,67.468 32.563,69.037 32.512,73.787 ; 51.994,20.804 51.994,40.31 95.782,40.31 95.65,20.672 51.994,20.804

## Silkscreen, mask and mechanical layers (free items; w line width, h text height)
Top Overlay:
  drawing of 37 lines, arcs and shapes, not listed
  text "GÜVENLİK SİSTEMİ" at 66.675,42.383 h2.2
Route Tool Path:
  lines w0.3: 61.212,41.351 61.312,41.351 ; 61.215,40.843 61.315,40.843 ; 61.722,41.351 61.822,41.351 ; 61.724,40.843 61.824,40.843 ; 62.228,41.351 62.328,41.351 ; 62.231,40.843 62.331,40.843 ; 62.736,41.351 62.836,41.351 ; 62.739,40.843 62.839,40.843 ; 84.684,41.351 84.784,41.351 ; 84.685,40.843 84.785,40.843 ; 85.193,41.351 85.293,41.351 ; 85.195,40.843 85.295,40.843 ; 85.7,41.351 85.8,41.351 ; 85.701,40.843 85.801,40.843 ; 86.208,41.351 86.308,41.351 ; 86.209,40.843 86.309,40.843
  lines w1: 51.232,19.939 51.232,41.072 ; 51.232,41.097 60.232,41.097 ; 63.805,41.097 71.055,41.097 ; 72.474,41.097 72.974,41.097 ; 74.506,41.097 75.006,41.097 ; 76.494,41.097 83.744,41.097 ; 87.19,41.097 96.19,41.097

## Text inside footprints (layer, text, board x,y; h text height)
BR1: Top Overlay "~" at 53.101,71.657 h1.2 r90; Top Overlay "~" at 53.001,76.757 h1.2 r90
J7: Top Overlay "1" at 49.098,54.707 h1.2
J8: Top Overlay "1" at 84.113,30.737 h1.2 r90
S1: Top Overlay "G" at 56.081,32.685 h1.2; Top Overlay "S" at 59.881,30.585 h1.2; Top Overlay "D" at 57.258,27.624 h1.2
T1: Top Overlay "INPUT" at 34.81,102.21 h1.2 r90; Top Overlay "OUTPUT" at 68.679,86.208 h1.2 r270